# Altium PCB GSHT_V1.4_PCB.PcbDoc (part 2 of 2)
Units mm, origin at the board's own origin, x right, y up, seen from the top; angles counter-clockwise.
Board outline 120 x 75 mm, 2 copper layers (Top Layer, Bottom Layer); 217 components, 152 nets, 710 pads, 382 vias.
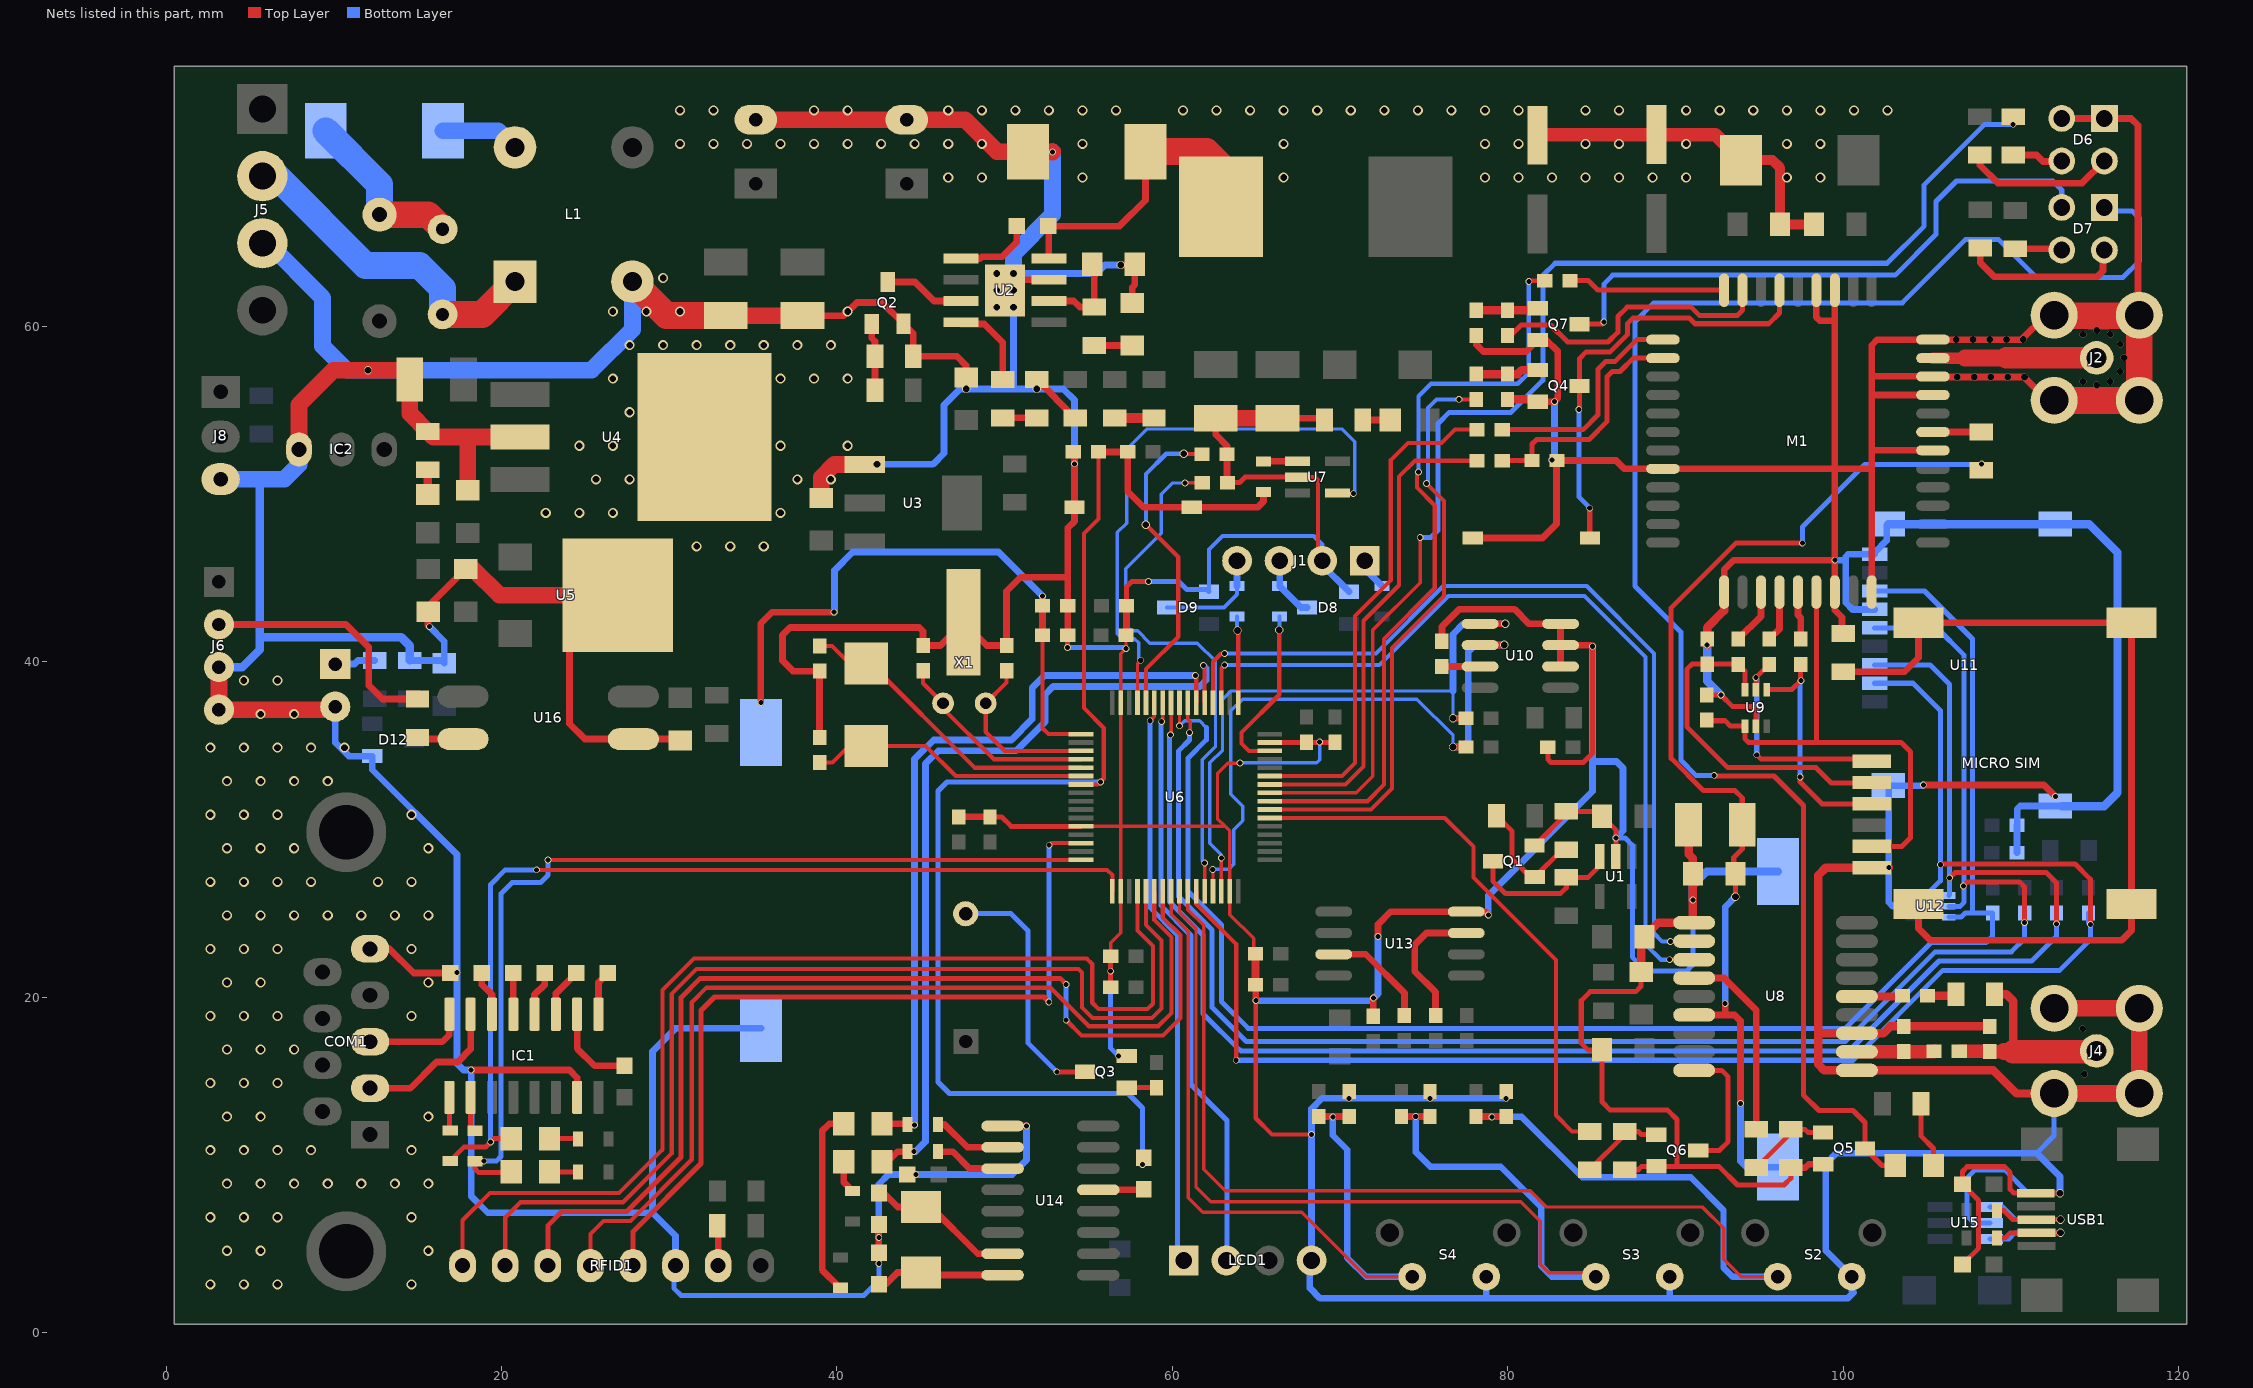
[diagram p2: the nets of this part, all layers, seen from the top]

## Via types
v1: diameter 0.6, hole 0.4, Top Layer to Bottom Layer, 171 vias
v2: diameter 0.4, hole 0.3, Top Layer to Bottom Layer, 143 vias
v3: diameter 0.4, hole 0.4, Top Layer to Bottom Layer, 28 vias
v4: diameter 0.5, hole 0.4, Top Layer to Bottom Layer, 26 vias
v5: diameter 3, hole 3, Top Layer to Bottom Layer, 4 vias
v6: diameter 1, hole 1, Top Layer to Bottom Layer, 2 vias
v7: diameter 1.3, hole 1.3, Top Layer to Bottom Layer, 2 vias
v8: diameter 1.5, hole 1.5, Top Layer to Bottom Layer, 2 vias
v9: diameter 1.2, hole 1, Top Layer to Bottom Layer, 2 vias
v10: diameter 0.8, hole 0.6, Top Layer to Bottom Layer, 1 vias
v11: diameter 0.8, hole 0.5, Top Layer to Bottom Layer, 1 vias

## Nets (pads, with @x,y where several pads share a name; then routed paths per layer and width w, separated by ;. In a path a pad name is that pad's centre, name@x,y a point inside that pad or via, vN(x,y) a via of type N, cw(c..) or ccw(c..) an arc to the next point about the centre after c; other vN are vias at no path point) (continued)
GND: "MICRO SIM.1" BT1.2 BT2.2 C1.2 C2.2 C5.1 C6.1 C7.1 C8.1 C9.1 C10.1 C11.1 C12.1 C13.1 C14.1 C15.1 C16.1 C17.1 C18.1 C19.1 C20.1 C21.1 C22.1 C23.1 C24.1 C25.1 C26.1 C27.1 C28.1 C29.1 C30.1 C31.2 C32.2 C33.2 C34.2 C35.2 C36.2 C37.2 C38.2 C39.2 C40.2 C41.2 C42.2 C43.2 C44.1 C45.2 C46.2 C47.1 C48.1 C49.1 C50.1 C51.1 C52.1 C53.1 C54.1 C55.2 C58.2 C60.1 C61.1 C62.1 C64.2 C65.2 C66.2 C67.1 COM1.5 D3.1 D6.1 D6.3 D8.1 D9.1 D12.1 IC1.15 IC2.1 J1.2 J2.2 J4.2 J5.3 J6.3 J6.4 J7.2 J8.3 L1.2 LCD1.4 M1.8 M1.13 M1.19 M1.21 M1.27 M1.30 M1.31 M1.33 M1.36 M1.37 Q1.1 Q2.1 Q3.1 Q4.1 Q5.1 Q6.1 Q7.1 R7.1 R8.1 R9.1 R11.1 R12.1 R13.1 R19.1 R20.1 R30.1 R34.1 R37.1 R38.1 R39.2 R47.1 R53.2 R73.1 RFID1.6 RST.1 S1.2 S2.2 S3.2 S4.2 U1.2 U2.7 U2.9 U3.1 U4.2 U4.4 U5.2 U6.12 U6.18 U6.31 U6.47 U6.63 U7.2 U8.1 U8.10 U8.12 U9.2 U10.2 U10.3 U10.4 U11.6 U11.9 U11.10 U11.11 U11.12 U11.13 U12.2 U13.4 U14.1 U15.2 U16.3 USB1.5 X1.3 | length 1065.2
  Top Layer w0.2: U6.12@54.546,30.178 56.923,30.178 ; C27.1@56.324,22.433 56.324,23.228 56.923,23.826 U6.18@56.923,26.302 ; U6.18@56.919,26.302 56.919,29.619 56.923,29.623 56.923,30.178 ; C25.1@57.235,41.58 v2(57.235,40.776) 56.923,40.463 U6.63@56.923,37.554 56.923,30.178 ; v2(64.033,33.96) 64.008,33.934 63.297,33.934 62.687,33.325 62.687,30.638 63.147,30.178 ; 64.96,22.156 64.846,22.269 64.846,23.492 63.423,24.916 U6.31@63.423,26.302 63.423,29.902 63.147,30.178 ; 56.923,30.178 63.147,30.178
  Top Layer w0.25: v2(64.973,19.787) 64.973,12.776 65.938,11.811 v2(68.301,11.811) ; U7.2@67.462,51.003 68.504,51.003 68.682,50.825 68.682,46.266 J1.2@68.936,46.012
  Top Layer w0.3: v2(42.495,4.115) C65.2@42.495,4.751 ; C19.1@49.124,30.747 49.816,30.747 50.385,30.178 U6.12@54.546,30.178 ; v2(53.746,40.843) 53.761,40.857 C29.1@53.761,41.58 ; C28.1@56.324,20.579 v2(56.324,21.539) C27.1@56.324,22.433 ; C26.1@57.265,43.332 57.265,44.463 57.582,44.78 v2(58.572,44.78) ; R20.1@63.284,50.673 64.008,50.673 64.338,51.003 U7.2@67.462,51.003 ; U6.47@65.799,35.178 67.983,35.178 C23.1@67.996,35.191 C24.1@69.698,35.191 ; Q1.1@81.601,29.042 83.49,30.93 R9.1@83.49,31.074 85.333,31.074 C8.1@85.612,30.795 86.44,29.967 v2(86.44,29.489) U1.2@86.44,28.382 ; C52.1@82.384,34.885 82.384,34.175 82.575,33.984 84.504,33.984 85.05,34.529 v2(85.05,40.917) v2@85.115,40.983 ; R38.1@86.97,9.703 87.782,9.703 87.986,9.906 Q6.1@88.858,9.906 90.094,9.906 ; C47.1@87.947,21.501 87.947,20.637 87.63,20.32 84.912,20.32 84.379,19.787 84.379,17.247 84.77,16.856 C44.1@85.612,16.856 85.612,13.753 86.106,13.259 89.535,13.259 90.094,12.7 90.094,9.906 ; C46.2@91.872,38.012 v2(92.715,38.012) 93.414,37.313 94.539,37.313 94.793,37.059 U9.2@94.793,36.155 ; R37.1@96.876,9.83 96.876,9.195 96.469,8.788 93.701,8.788 92.583,9.906 90.094,9.906 ; C61.1@107.112,4.065 108.077,5.03 108.077,7.872 C60.1@107.112,8.837 107.112,9.601 107.391,9.881 109.626,9.881 109.957,9.55 109.957,8.534 110.185,8.306 USB1.5@111.481,8.306 v4(112.928,8.306)
  Top Layer w0.381: C22.1@64.96,20.726 64.96,19.8 v2(64.973,19.787)
  Top Layer w0.4: COM1.5@12.162,22.875 13.32,22.875 14.764,21.431 C58.2@16.942,21.431 17.316,21.431 v2(17.348,21.463) ; v2(15.697,42.088) 15.621,42.164 C15.1@15.621,42.977 15.621,43.282 C16.1@17.856,45.517 ; v2(18.186,15.646) 24.054,15.646 24.511,15.189 IC1.15@24.511,14.024 ; U5.2@26.921,43.962 24.054,41.095 24.054,36.297 24.968,35.382 U16.3@27.864,35.382 30.582,35.382 C66.2@30.658,35.306 ; C9.1@37.948,60.63 40.403,60.63 41.19,61.417 42.697,61.417 Q2.1@43.967,60.147 44.552,59.563 R11.1@44.552,58.217 47.142,58.217 47.701,57.658 C18.1@47.701,56.947 v4(47.701,56.261) ; C33.2@38.964,35.484 C31.2@38.964,39.433 37.377,39.433 36.754,40.056 36.754,41.58 37.211,42.037 44.907,42.037 45.136,41.808 C34.2@45.136,40.958 46.165,40.958 X1.3@47.549,42.342 48.932,40.958 C36.2@50.114,40.958 50.114,44.196 50.952,45.034 53.71,45.034 53.761,44.983 ; C65.2@42.495,4.751 v2(42.495,5.664) C64.2@42.495,6.438 ; C62.1@44.196,9.423 v2(44.704,9.423) ; C20.1@47.269,30.747 C19.1@49.124,30.747 ; U14.1@49.877,12.312 v2(51.308,12.312) ; U2.9@50.521,63.138 50.886,62.773 U2.7@52.637,62.773 ; v4(51.918,56.261) R8.1@51.918,56.82 R7.1@54.204,54.534 R7.1@54.089,54.419 ; C29.1@53.761,41.58 C30.1@53.761,43.332 53.761,44.983 ; C32.2@54.089,52.502 54.158,52.432 v2(54.158,51.791) S1.2@54.158,49.2 54.158,48.367 53.761,47.969 53.761,44.983 ; v4(56.923,63.652) 57.709,63.652 C11.1@57.76,63.703 57.76,62.464 57.607,62.312 C12.1@57.607,61.392 ; C25.1@57.235,41.58 57.265,41.609 C26.1@57.265,43.332 ; C6.1@62.586,54.509 62.586,53.534 63.259,52.861 R19.1@63.259,52.375 63.259,50.698 R20.1@63.284,50.673 ; C5.1@66.269,54.509 68.961,54.509 R13.1@69.063,54.407 ; v2(70.538,13.963) 70.543,13.968 C38.2@70.543,14.376 ; C55.2@71.984,18.854 v2(71.984,19.939) ; v2(72.263,23.606) 72.263,24.333 73.019,25.089 U13.4@77.521,25.089 78.644,25.089 v2(78.842,24.892) ; v2(75.357,13.963) 75.362,13.968 C37.2@75.362,14.376 ; R53.2@76.073,41.213 76.073,42.088 77.114,43.129 80.391,43.129 81.267,42.253 U10.4@83.147,42.253 U10.3@83.147,40.983 ; RST.1@77.907,47.371 82.067,47.371 82.906,48.209 82.906,51.956 R34.1@82.944,51.994 86.462,51.994 86.959,51.496 M1.8@89.248,51.496 99.492,51.496 ; R47.1@78.13,59.449 78.13,58.903 78.537,58.496 81.102,58.496 Q7.1@81.788,59.182 82.296,59.182 82.982,58.496 82.982,55.702 v2(82.779,55.499) Q4.1@81.788,55.499 ; v2(79.903,13.963) 79.908,13.968 C35.2@79.908,14.376 ; U10.2@83.147,39.713 U10.3@83.147,40.983 ; v2(85.05,40.917) 84.985,40.983 U10.3@83.147,40.983 ; M1.13@92.898,44.146 92.898,45.476 93.472,46.05 v2(99.498,46.05) ; R37.1@96.876,9.83 97.739,9.83 97.942,10.033 Q5.1@98.806,10.033 ; M1.37@98.398,62.146 98.398,60.53 98.603,60.325 99.473,60.325 99.498,60.3 ; M1.36@99.498,62.146 99.498,60.3 ; R39.2@100,41.681 99.924,41.758 99.924,42.647 99.498,43.072 M1.19@99.498,44.146 v2(99.498,46.05) ; M1.21@101.698,44.146 101.698,51.496 ; 101.752,52.596 M1.27@105.348,52.596 ; v2(104.775,32.639) 111.963,32.639 v2(112.649,31.953) ; M1.30@105.348,55.896 101.698,55.896 ; J2.2@112.522,60.649 112.014,60.588 110.622,59.196 M1.33@105.348,59.196 102.032,59.196 101.698,58.862 101.698,57.023 ; J2.2@113.005,55.508 112.243,55.508 110.78,56.971 105.374,56.971 M1.31@105.348,56.996 105.321,57.023 101.698,57.023 ; D6.3@113.03,72.39 D6.1@115.57,72.39 117.17,72.39 117.577,71.984 117.577,60.731 J2.2@117.653,60.655 ; 99.492,51.496 101.698,51.496 ; 99.492,51.496 99.498,51.49 v2(99.498,46.05) ; 99.492,51.496 99.498,51.502 99.498,60.3 ; 101.698,51.496 101.698,55.896 ; 101.698,55.896 101.698,57.023
  Top Layer w0.5: C22.1@64.96,20.726 64.96,22.156 ; R30.1@79.985,55.639 81.648,55.639 Q4.1@81.788,55.499 ; C47.1@87.947,21.501 87.947,23.402 C7.1@88.152,23.606 88.979,24.433 U8.1@91.113,24.433 91.034,24.512 v2(91.034,25.781) C51.1@91.034,27.356 91.034,28.27 90.78,28.524 C50.1@90.78,30.277 ; v2(91.882,40.996) C45.2@91.882,41.345 91.882,42.022 92.898,43.038 M1.13@92.898,44.146 ; v2(102.718,27.737) 102.718,27.711 101.694,27.711 98.958,27.711 98.501,27.254 98.501,25.489 98.501,17.856 ; C48.1@108.727,18.251 C49.1@103.618,18.251 102.807,18.251 102.389,17.833 U8.12@100.813,17.833 98.525,17.833 98.501,17.856 ; J4.2@113.03,14.249 J4.2@112.573,14.249 110.338,14.249 108.954,15.633 U8.10@100.813,15.633 98.87,15.633 98.501,16.002 98.501,17.856
  Top Layer w0.6: C41.2@93.909,69.901 95.783,69.901 96.241,69.444 C42.2@96.241,66.065 C43.2@98.247,66.065 C43.2@98.11,65.929
  Top Layer w0.8: C39.2@81.763,71.391 81.797,71.425 C40.2@88.875,71.425 92.385,71.425 C41.2@93.909,69.901
  Top Layer w1: J6.3@3.15,39.675 J6.4@3.15,37.135 9.906,37.135 J7.2@10.084,37.313 ; IC2.1@7.925,52.654 7.925,55.321 9.982,57.379 v4(12.04,57.379) 13.97,57.379 C13.1@14.529,56.82 14.529,54.787 R12.1@15.596,53.721 15.926,53.391 17.856,53.391 ; C16.1@17.856,45.517 18.313,45.517 19.869,43.962 U5.2@26.921,43.962 ; C14.1@17.983,50.216 17.983,53.264 17.856,53.391 ; U4.2@21.106,53.391 17.856,53.391 ; C10.1@33.376,60.63 C9.1@37.948,60.63 ; C2.2@35.154,72.314 C1.2@44.171,72.314 47.641,72.314 49.546,70.409 D3.1@51.403,70.409 52.832,70.409 v2(52.857,70.383) ; C17.1@39.065,49.759 39.065,50.987 39.832,51.754 U3.1@41.652,51.754 ; C6.1@62.586,54.509 C5.1@66.269,54.509 ; J4.2@112.573,19.329 J4.2@117.653,19.329 118.11,19.329 117.653,18.872 117.653,14.707 118.11,14.249 J4.2@117.653,14.249 J4.2@113.03,14.249
  Top Layer w1.6: L1.2@27.803,62.662 29.835,60.63 C10.1@33.376,60.63 ; J2.2@112.522,60.649 112.573,60.648 114.759,60.616 115.126,60.61 115.683,60.602 J2.2@117.653,60.655 J2.2@117.653,55.575 113.071,55.575 J2.2@113.005,55.508
  Bottom Layer w0.2: v2(64.033,33.96) 68.595,33.96 68.783,34.148 v2(68.783,35.204)
  Bottom Layer w0.25: D9.1@62.179,44.171 62.179,46.685 62.992,47.498 68.428,47.498 68.936,46.99 J1.2@68.936,46.012
  Bottom Layer w0.3: RFID1.6@30.378,3.988 30.277,3.886 30.277,2.642 30.709,2.21 41.605,2.21 42.495,3.099 v2(42.495,4.115) ; v2(53.746,40.843) 57.168,40.843 v2(57.235,40.776) ; v2(56.324,21.539) 56.324,16.955 v2(56.794,16.485) ; v2(58.572,44.78) 60.376,44.78 60.858,44.298 62.052,44.298 D9.1@62.179,44.171 ; v2(86.44,29.489) 86.995,29.489 87.427,29.058 87.427,22.377 88.265,21.539 90.653,21.539 91.034,21.92 v2(91.034,25.781) ; U15.2@108.766,6.528 107.798,6.528 107.391,6.934 107.391,9.22 107.874,9.703 109.626,9.703 111.023,8.306 v4(112.928,8.306) ; 111.531,10.693 112.573,11.735 J4.2@112.573,14.249 J4.2@112.928,13.894
  Bottom Layer w0.381: v2(64.973,19.787) 71.831,19.787 v2(71.984,19.939)
  Bottom Layer w0.4: J7.2@10.084,37.313 10.084,35.179 10.897,34.366 D12.1@12.294,34.366 12.294,33.553 17.348,28.499 v2(17.348,21.463) 17.348,16.027 17.729,15.646 v2(18.186,15.646) 18.186,8.128 19.177,7.137 29.007,7.137 ; R73.1@14.529,40.067 16.423,40.067 C67.1@16.586,39.903 16.586,41.199 v2(15.697,42.088) ; RFID1.6@30.378,3.988 30.378,5.766 29.007,7.137 ; BT1.2@35.484,18.136 30.378,18.136 29.007,16.764 29.007,7.137 ; v4(42.393,51.765) 45.72,51.765 46.38,52.426 46.38,55.296 47.346,56.261 v4(47.701,56.261) 50.521,56.261 ; v2(42.495,5.664) 42.495,8.84 43.078,9.423 v2(44.704,9.423) 50.444,9.423 51.308,10.287 v2(51.308,12.312) ; U2.9@50.521,61.138 50.521,56.261 ; U2.9@50.521,63.138 55.467,63.138 55.982,63.652 v4(56.923,63.652) ; v2(54.158,51.791) 54.158,55.595 53.492,56.261 v4(51.918,56.261) 50.521,56.261 ; J1.2@68.936,46.012 68.936,45.766 D8.1@70.531,44.171 ; v2(71.984,19.939) 71.984,19.914 72.263,20.193 v2(72.263,23.606) ; S4.2@78.715,3.327 78.715,2.032 ; v2(78.842,24.892) 78.842,26.06 85.05,32.269 85.05,34.043 ; v2(79.903,13.963) v2(75.357,13.963) v2(70.538,13.963) 68.929,13.963 68.301,13.335 v2(68.301,11.811) LCD1.4@68.301,4.293 68.199,4.191 68.199,2.642 68.809,2.032 78.715,2.032 ; v2(82.626,52.019) 82.677,52.019 82.779,52.121 v2(82.779,55.499) ; v2(85.05,40.917) 85.05,34.043 ; v2(86.44,29.489) 86.868,29.917 86.868,33.655 86.48,34.043 85.05,34.043 ; S3.2@89.662,3.327 89.662,2.184 89.51,2.032 ; v2(99.498,46.05) 100.114,46.05 100.152,46.012 ; U11.6@101.879,43.111 100.552,43.111 100.152,43.51 100.152,46.012 ; U11.10@102.683,48.203 102.591,48.111 102.591,47.219 101.879,46.507 U11.9@101.879,46.411 100.31,46.411 100.152,46.253 100.152,46.012 ; U12.2@104.115,25.41 102.961,25.41 102.718,25.654 v2(102.718,27.737) 102.718,32.572 U11.13@102.683,32.607 104.743,32.607 v2(104.775,32.639) ; C54.1@110.359,28.612 110.359,30.226 C53.1@110.37,30.237 110.37,31.198 110.56,31.388 U11.12@112.633,31.388 U11.12@113.03,31.388 ; v4(112.928,8.306) 112.928,9.296 111.531,10.693 99.593,10.693 98.958,10.058 98.958,4.877 S2.2@100.508,3.327 100.508,2.489 100.609,2.388 100.254,2.032 89.51,2.032 ; 78.715,2.032 89.51,2.032
  Bottom Layer w0.5: J6.3@3.15,39.675 4.547,39.675 5.588,40.716 5.588,41.427 ; 5.563,50.876 5.588,50.851 5.588,41.427 ; R73.1@14.529,40.067 14.529,40.945 14.021,41.453 5.613,41.453 5.588,41.427 ; v2(91.034,25.781) 91.034,26.67 91.846,27.483 BT2.2@96.114,27.483 ; v2(91.882,40.996) 91.882,38.845 v2(92.715,38.012) ; U11.10@102.683,48.203 U11.11@112.633,48.203 114.662,48.203 116.357,46.507 116.357,32.182 115.563,31.388 U11.12@113.03,31.388
  Bottom Layer w0.6: J4.2@117.577,13.716 J4.2@118.11,14.249
  Bottom Layer w1: J8.3@3.251,50.876 5.563,50.876 7.061,50.876 7.925,51.74 IC2.1@7.925,52.654 ; J5.3@5.74,64.948 6.071,64.948 9.322,61.697 9.322,58.826 10.77,57.379 v4(12.04,57.379) 25.375,57.379 27.803,59.807 L1.2@27.803,62.662 ; U2.9@50.521,63.138 50.521,64.313 52.857,66.65 v2(52.857,70.383)
  other v1: 2.637,2.871 4.637,2.871 6.637,2.871 14.637,2.871 3.637,4.871 5.637,4.871 15.637,4.871 2.637,6.871 4.637,6.871 6.637,6.871 14.637,6.871 3.637,8.871 5.637,8.871 7.637,8.871 9.637,8.871 11.637,8.871 13.637,8.871 15.637,8.871 2.637,10.871 4.637,10.871 6.637,10.871 8.637,10.871 14.637,10.871 3.637,12.871 5.637,12.871 15.637,12.871 2.637,14.871 4.637,14.871 6.637,14.871 3.637,16.871 5.637,16.871 7.637,16.871 2.637,18.871 4.637,18.871 6.637,18.871 14.637,18.871 3.637,20.871 5.637,20.871 15.637,20.871 2.637,22.871 4.637,22.871 6.637,22.871 14.637,22.871 3.637,24.871 5.637,24.871 7.637,24.871 9.637,24.871 11.637,24.871 13.637,24.871 15.637,24.871 2.637,26.871 4.637,26.871 6.637,26.871 8.637,26.871 12.637,26.871 14.637,26.871 3.637,28.871 5.637,28.871 7.637,28.871 15.637,28.871 2.637,30.871 4.637,30.871 6.637,30.871 14.637,30.871 3.637,32.871 5.637,32.871 7.637,32.871 9.637,32.871 2.637,34.871 4.637,34.871 6.637,34.871 8.637,34.871 10.637,34.871 5.637,36.871 7.637,36.871 4.637,38.871 6.637,38.871 31.637,46.871 33.637,46.871 35.637,46.871 22.637,48.871 24.637,48.871 26.637,48.871 36.637,48.871 25.637,50.871 27.637,50.871 37.637,50.871 39.637,50.871 24.637,52.871 26.637,52.871 36.637,52.871 40.637,52.871 27.637,54.871 26.637,56.871 36.637,56.871 38.637,56.871 40.637,56.871 27.637,58.871 29.637,58.871 31.637,58.871 33.637,58.871 35.637,58.871 37.637,58.871 39.637,58.871 26.637,60.871 28.637,60.871 30.637,60.871 40.637,60.871 29.637,62.871 46.637,68.871 48.637,68.871 54.637,68.871 66.637,68.871 78.637,68.871 80.637,68.871 82.637,68.871 84.637,68.871 86.637,68.871 88.637,68.871 90.637,68.871 96.637,68.871 98.637,68.871 30.637,70.871 32.637,70.871 34.637,70.871 36.637,70.871 38.637,70.871 40.637,70.871 42.637,70.871 44.637,70.871 46.637,70.871 48.637,70.871 54.637,70.871 66.637,70.871 78.637,70.871 80.637,70.871 84.637,70.871 86.637,70.871 90.637,70.871 96.637,70.871 98.637,70.871 30.637,72.871 32.637,72.871 38.637,72.871 40.637,72.871 46.637,72.871 48.637,72.871 50.637,72.871 52.637,72.871 54.637,72.871 56.637,72.871 60.637,72.871 62.637,72.871 64.637,72.871 66.637,72.871 68.637,72.871 70.637,72.871 72.637,72.871 74.637,72.871 76.637,72.871 78.637,72.871 80.637,72.871 84.637,72.871 86.637,72.871 90.637,72.871 92.637,72.871 94.637,72.871 96.637,72.871 98.637,72.871 100.637,72.871 102.637,72.871
  other v3: 114.38,15.415 114.289,18.112 115.113,56.49 114.3,56.707 115.926,56.707 106.804,56.971 107.804,56.971 108.804,56.971 109.804,56.971 110.804,56.971 116.521,57.302 116.738,58.115 116.521,58.928 106.737,59.207 107.737,59.207 108.737,59.207 109.737,59.207 110.737,59.207 114.3,59.523 115.926,59.523 115.113,59.741
GND_INPUT: C3.1 J5.2 L1.1 | length 20.2
  Top Layer w1.6: C3.1@16.485,60.706 18.847,60.706 L1.1@20.803,62.662
  Bottom Layer w1.6: J5.2@5.74,68.948 6.566,68.948 11.887,63.627 15.113,63.627 16.485,62.255 C3.1@16.485,60.706
GPS_LED_STATUS: D7.1 D10.2 Q5.2 | length 99.5
  Top Layer w0.3: v2(92.304,33.223) 92.346,33.18 95.877,33.18 97.637,31.421 97.637,14.149 98.552,13.233 100.584,13.233 101.301,12.517 Q5.2@101.301,10.973 102.317,9.957 D10.2@103.099,9.957
  Bottom Layer w0.3: v2(92.304,33.223) 91.211,33.223 90.322,34.112 90.322,41.758 87.579,44.501 87.579,60.274 88.697,61.392 103.521,61.392 107.306,65.176 109.245,65.176 111.506,62.916 116.688,62.916 117.653,63.881 117.653,66.446 117.221,66.878 115.773,66.878 D7.1@115.57,67.081
GPS_RESET: Q6.2 U8.9 | length 8.1
  Top Layer w0.3: U8.9@91.113,15.633 92.749,15.633 93.142,15.24 93.142,11.379 92.608,10.846 Q6.2@91.353,10.846
GPS_RST: R36.1 U6.38 | length 33.3
  Top Layer w0.25: U6.38@65.799,30.678 76.24,30.678 77.953,28.966 77.953,27.127 82.865,22.215 82.865,12.951 83.827,11.989 R36.1@84.878,11.989
GPS_RXD: U6.52 U8.2 | length 51.6
  Top Layer w0.25: U6.52@62.423,37.554 62.423,39.994 62.916,40.488 v2(63.119,40.488) ; v2(89.687,23.317) 89.703,23.333 U8.2@91.113,23.333
  Bottom Layer w0.25: v2(63.119,40.488) 72.136,40.488 76.149,44.501 84.711,44.501 88.718,40.493 88.718,23.804 89.205,23.317 v2(89.687,23.317)
GPS_TIMEPULSE: R35.1 U8.4 | length 12
  Top Layer w0.4: U8.4@91.113,21.133 92.888,21.133 94.818,19.202 94.818,12.421 94.513,12.116 R35.1@94.818,12.116
GPS_TXD: U6.51 U8.3 | length 51.1
  Top Layer w0.25: U6.51@62.923,37.554 62.923,39.605 v2(63.119,39.802) ; v2(89.652,22.225) 89.644,22.233 U8.3@91.113,22.233
  Bottom Layer w0.25: v2(63.119,39.802) 72.339,39.802 76.454,43.917 84.582,43.917 88.214,40.284 88.214,23.139 89.129,22.225 v2(89.652,22.225)
GSM_LED_STATUS: D7.3 Q7.2 | length 36
  Top Layer w0.3: Q7.2@84.283,60.122 85.623,60.122 85.725,60.223 v2(85.725,60.249)
  Bottom Layer w0.3: v2(85.725,60.249) 85.725,62.509 86.258,63.043 103.099,63.043 105.537,65.481 105.537,67.437 106.756,68.656 112.497,68.656 113.03,68.123 D7.3@113.03,67.081
GSM_NETLIGHT: M1.41 R45.1 | length 17.6
  Top Layer w0.3: R45.1@79.985,59.449 80.175,59.449 80.797,60.071 82.55,60.071 83.566,59.055 85.979,59.055 86.563,59.639 86.563,60.579 87.122,61.138 90.932,61.138 91.421,60.648 93.694,60.648 93.998,60.953 M1.41@93.998,62.146
GSM_PWRKEY: R29.1 U6.39 | length 35.4
  Top Layer w0.25: U6.39@65.799,31.178 71.843,31.178 73.101,32.436 73.101,40.818 76.2,43.917 76.2,49.581 v2(75.159,50.622) ; v2(77.089,55.639) R29.1@78.13,55.639
  Bottom Layer w0.25: v2(75.159,50.622) 75.25,50.713 75.25,55.133 75.756,55.639 v2(77.089,55.639)
GSM_RF: J2.1 M1.32 | length 9.6
  Top Layer w0.7: M1.32@105.348,58.096 107.264,58.096
  Top Layer w1: 107.264,58.096 109.245,58.096
  Top Layer w1.3: 109.728,58.115 115.113,58.1 J2.1@115.468,58.125
GSM_RXD: R31.1 U6.43 | length 30.3
  Top Layer w0.25: U6.43@65.799,33.178 70.109,33.178 70.891,33.96 70.891,42.723 73.025,44.856 73.025,52.019 74.041,53.035 76.046,53.035 76.845,53.835 R31.1@78.169,53.835
GSM_STATUS: R46.2 U6.40 | length 45.7
  Top Layer w0.25: U6.40@65.799,31.678 71.632,31.678 72.619,32.664 72.619,41.351 75.641,44.374 75.641,49.321 74.58,50.382 74.58,51.211 v2(74.671,51.302) ; v2(81.255,62.662) 81.305,62.713 R46.2@82.206,62.713
  Bottom Layer w0.25: v2(74.671,51.302) 74.671,55.824 75.413,56.566 80.594,56.566 81.255,57.226 v2(81.255,62.662)
GSM_TXD: R33.1 U6.42 | length 29.3
  Top Layer w0.25: U6.42@65.799,32.678 67.412,32.678 ; 67.412,32.674 70.318,32.674 71.395,33.751 71.395,42.439 73.508,44.552 73.508,51.029 74.459,51.98 R33.1@78.169,51.98
LCD_SCL: LCD1.2 U6.58 | length 35.5
  Top Layer w0.2: v2(59.36,36.424) 59.423,36.486 U6.58@59.423,37.554
  Bottom Layer w0.3: v2(59.36,36.424) 59.315,36.378 59.315,25.471 61.112,23.673 61.112,14.783 63.259,12.636 LCD1.2@63.259,3.708
LCD_SDA: LCD1.1 U6.59 | length 34.8
  Top Layer w0.2: v2(58.674,36.474) 58.923,36.723 U6.59@58.923,37.554
  Bottom Layer w0.3: v2(58.674,36.474) 58.674,25.328 60.3,23.702 60.3,4.127 LCD1.1@60.719,3.708
MCU_BOOT0: R19.2 U6.60 | length 19.1
  Top Layer w0.25: v4(58.42,48.158) 60.35,46.228 60.35,41.478 58.423,39.55 U6.60@58.423,37.554 ; v4(60.681,52.394) 60.699,52.375 R19.2@61.759,52.375
  Bottom Layer w0.25: v4(58.42,48.158) 58.42,51.181 59.633,52.394 v4(60.681,52.394)
MCU_BOOT1: R20.2 U6.28 | length 31.8
  Top Layer w0.2: v2(60.757,50.648) 60.782,50.673 R20.2@61.784,50.673 ; U6.28@61.923,26.302 v2(61.923,27.991)